# KiCad board polygonus-Shortage-Version.kicad_pcb (continued)
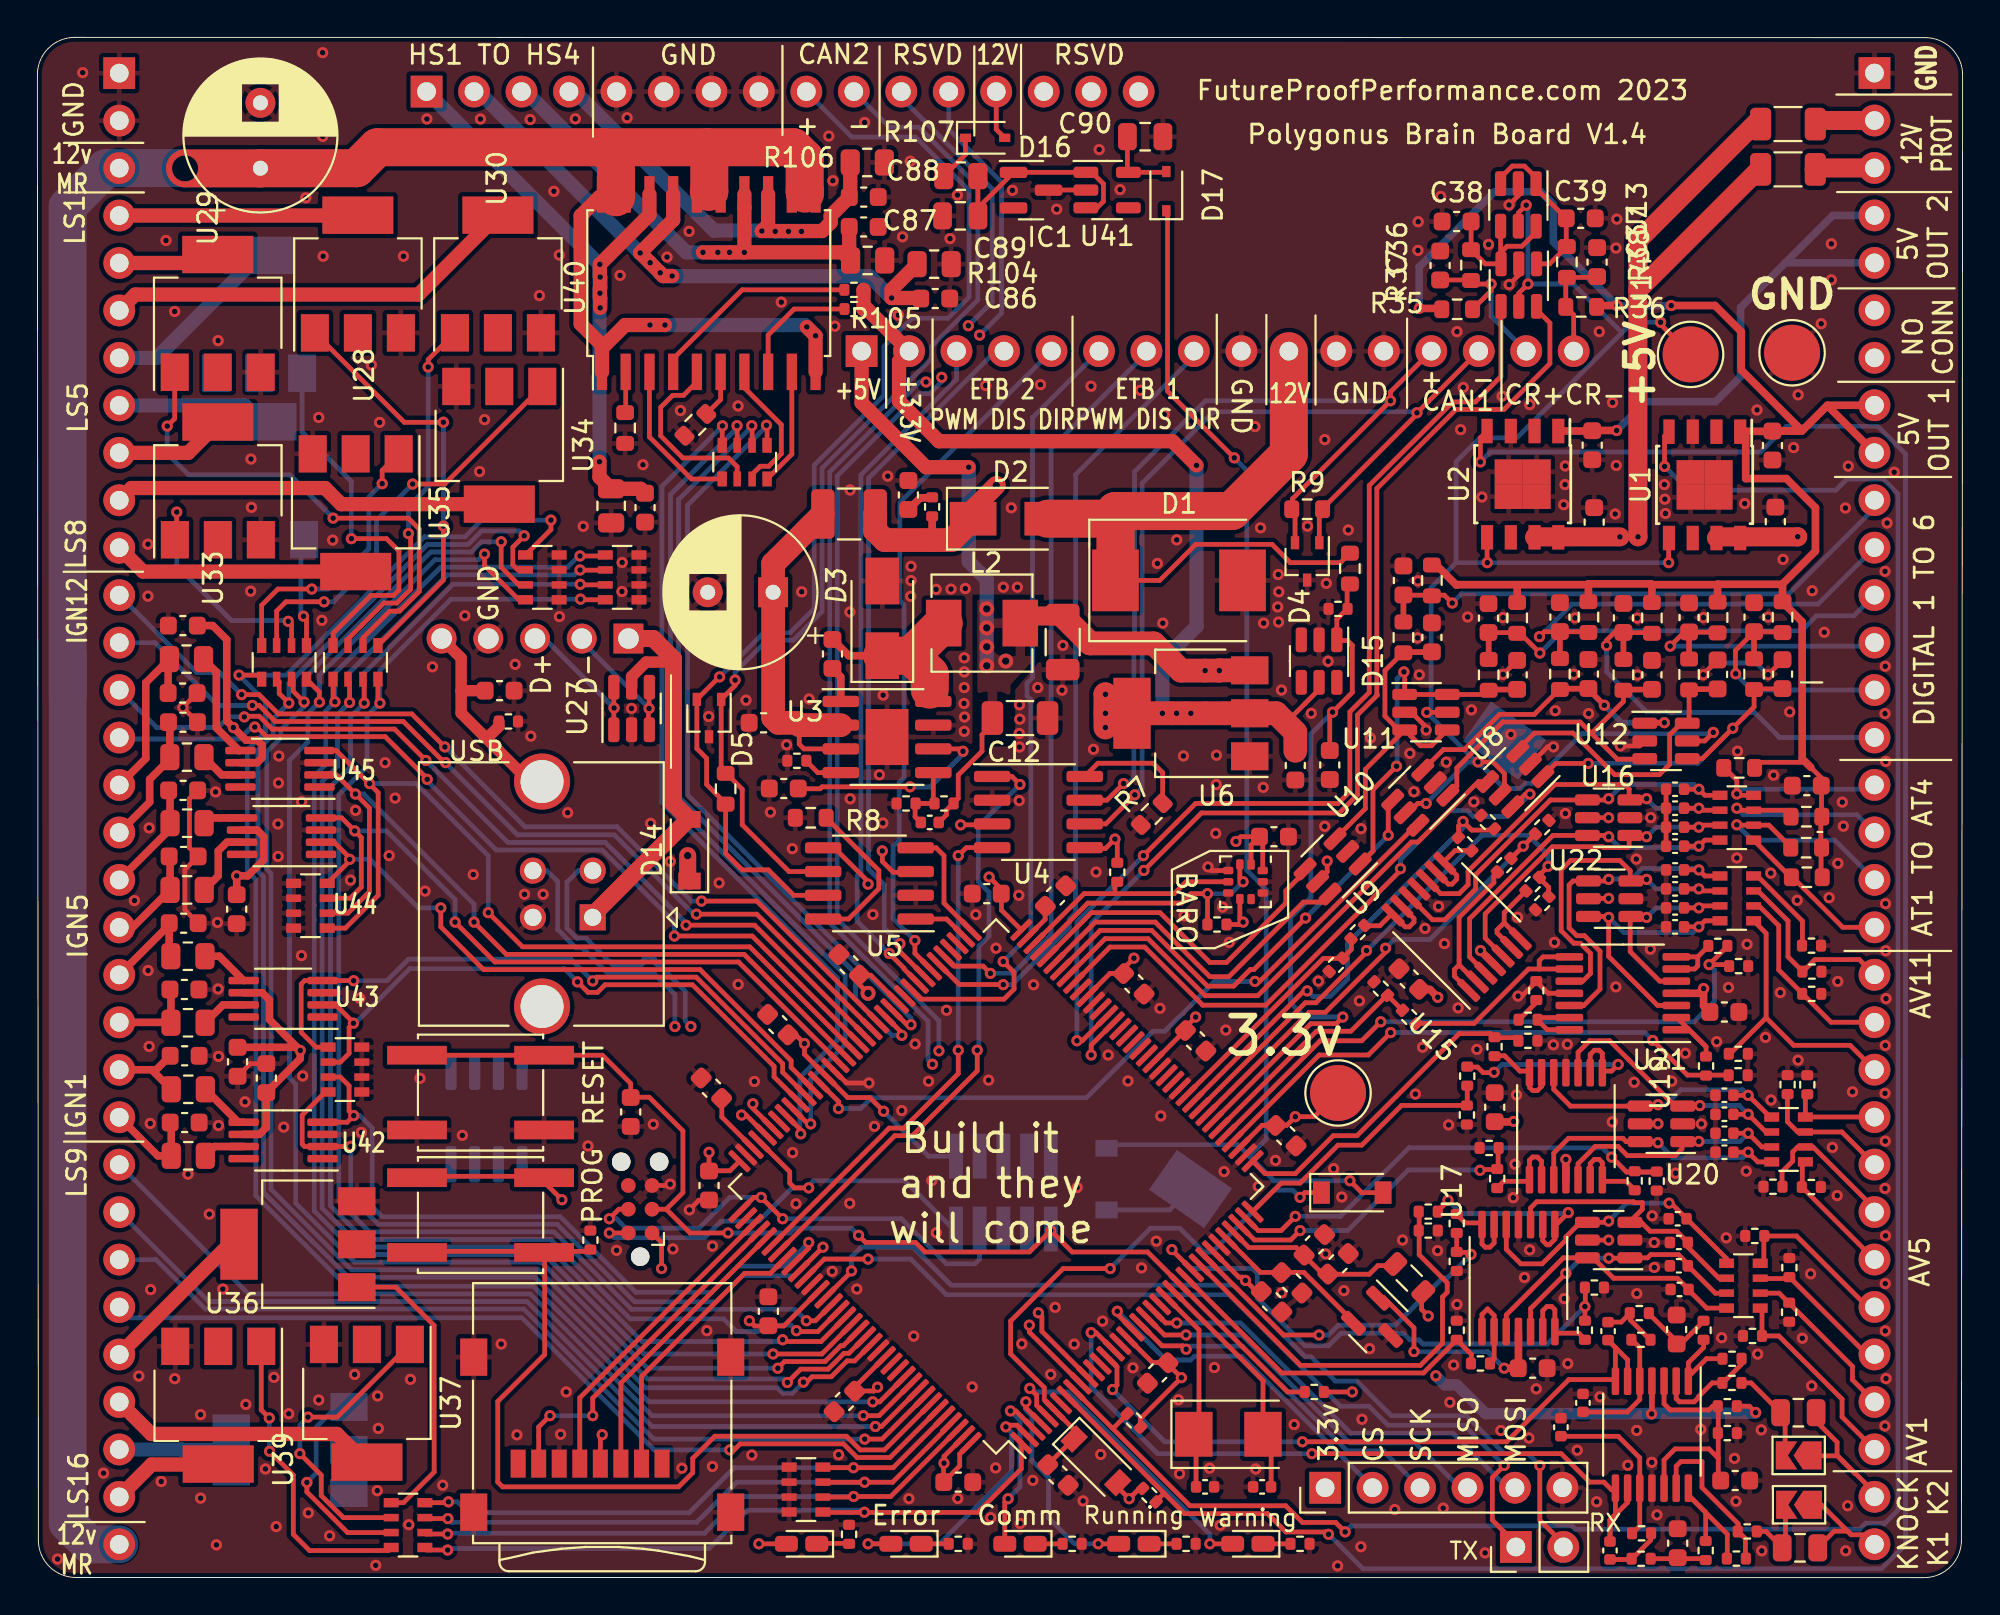
[diagram p0: board, top side]
## Library data of the parts
C1 C6 = -: LCSC: N/A; PN: EEH-AZF1H560B
C2 C3 C5 C7 C9 C84 = -: LCSC: C15849; LCSC_ext: 0
C4 C14 C82 = -: LCSC: C19666; LCSC_ext: 0
C8 C15 C85-C88 C93-C96 C99-C102 = -: LCSC: C57112; LCSC_ext: 0
C10 C40 C41 C46 C51 C56 C61-C64 C67-C71 C73 C79 C81 C83 C91 C92 C97 C98 = -: LCSC: C14663; LCSC_ext: 0
C11 C20 C21 = -: LCSC: C13533; LCSC_ext: 0
C12 C13 = -: LCSC: C13585; LCSC_ext: 0
C16 C17 = -: LCSC: C53175; LCSC_ext: 0
C18 C19 = -: LCSC: C1630; LCSC_ext: 0
C22 C23 = -: LCSC: C1567; LCSC_ext: 0
C24-C39 = -: LCSC: C1588; LCSC_ext: 0
C42-C45 C47-C50 C52-C55 C57-C60 = -: LCSC: C1525; LCSC_ext: 0
C65 C66 C72 C76 C80 = -: LCSC: C19666; LCSC_ext: 0; PN: CGA3E2X7R1H103M080AA
C74 C75 = -: LCSC: C1562; LCSC_ext: 0
C77 C78 = -: LCSC: C23630; LCSC_ext: 0
D1 = -: LCSC: C151281; LCSC_ext: 1; possible_not_ext: 1
D2 D3 = -: LCSC: C8678; LCSC_ext: 0
D4 D5 = -: LCSC: C152727; LCSC_ext: 1
D6-D8 D14 = -: LCSC: C8598; LCSC_ext: 0
D9 D12 = -: LCSC: C72043; LCSC_ext: 0
D10 = -: LCSC: C2286; LCSC_ext: 0
D11 = -: LCSC: C72041; LCSC_ext: 0
D13 = -: LCSC: C72038; LCSC_ext: 0
D15 U16 U18 U20 U22 = -: LCSC: C85364; LCSC_ext: 0
F1 F2 = -: LCSC: C207035; LCSC_ext: 1; PN: 1206L012WR
FB1 = -: LCSC: C1015; LCSC_ext: 0
IC1 = -: Description: ESD Suppressor TVS Bi-Dir 12V/7V 3-Pin SOT-23 T/R; Arrow Price/Stock: https://www.arrow.com/en/products/psm712-lf-t7/protek-devices?region=europe; Height: 1.21; Manufacturer_Name: ProTek Devices
J1-J3 J11 J12 JP1 JP2 = -: LCSC: N/A
J8 = -: LCSC: N/A; PN: FTSH-105-01-F-DV-007-K
J10 = -: LCSC: C164170; PN: 47219-2001
J13 = -: LCSC: N/A; PN: UB-20PMFP-LC7002
J14 = -: LCSC: N/A; PN: 5787834-1
L1 = -: LCSC: C36828; LCSC_ext: 1; PN: SRN3015TA-2R2M; possible_not_ext: 1
L2 = -: LCSC: C408412; LCSC_ext: 1; possible_not_ext: 1
R1 R3 R4 R47-R50 R59-R62 R71-R74 R83-R86 R89 R90 R97 R99 R100 = -: LCSC: C25744; LCSC_ext: 0
R2 = -: LCSC: C25086; LCSC_ext: 0
R5 = -: LCSC: C25752
R6 = -: LCSC: C36871
R7-R10 R101 R102 = -: LCSC: C22787; LCSC_ext: 0
R11 R12 R21 R22 = -: LCSC: C25779; LCSC_ext: 0
R13 R14 = -: LCSC: C25741
R15 R16 = -: LCSC: C25790
R17 R18 = -: LCSC: C25752; LCSC_ext: 0
R19 R20 R98 = -: LCSC: C25741; LCSC_ext: 0
R23-R42 = -: LCSC: C13167; LCSC_ext: 0
R43-R46 R55-R58 R67-R70 R79-R82 = -: LCSC: C25908; LCSC_ext: 0
R51-R54 R63-R66 R75-R78 = -: LCSC: C25790; LCSC_ext: 0
R87 R88 = -: LCSC: C11702; LCSC_ext: 0
R91-R95 = -: LCSC: C25104
R96 = -: LCSC: C23254; LCSC_ext: 0
R103-R106 = -: LCSC: C17673; LCSC_ext: 0
R108-R115 = -: LCSC: C17408; LCSC_ext: 0
RN1 = -: LCSC: C29718; LCSC_ext: 0; PN: CAT16-473J4LF
RN2-RN4 RN11 = -: LCSC: C29718; LCSC_ext: 0; PN: CAT16-1002F4LF
RN5-RN10 RN12 RN13 = -: LCSC: C20197; LCSC_ext: 0
SW1 SW2 = -: LCSC: C318887; LCSC_ext: 1
U1 U2 = -: LCSC: N/A; PN: TLS115D0E
U3 = -: LCSC: C187824; LCSC_ext: 1; possible_not_ext: 0
U6 = -: LCSC: C6186; LCSC_ext: 0
U7 U15 U17 U19 U21 = -: LCSC: C50282; LCSC_ext: 1; PN: MCP6004T-I/ST; possible_not_ext: 1
U8-U10 U14 = -: LCSC: C10429; LCSC_ext: 1; PN: 74HC2G17GW
U23 = -: LCSC: C130016; LCSC_ext: 1; PN: REF3033
U24 = -: LCSC: C94049; LCSC_ext: 1
U26 = -: LCSC: C117816; PN: STM32F767ZIT6
U27 = -: LCSC: C7519; LCSC_ext: 1; PN: USBLC6-2; possible_not_ext: 1
U42-U45 = -: LCSC: C20551; LCSC_ext: 1; PN: TC4427EOA; possible_not_ext: 1
Y1 = -: LCSC: C115962; LCSC_ext: 0

## Footprints (pads in the part's own frame, mm; a bottom-side part is the same pattern mirrored in y, then rotated)
BatteryHolder_Keystone_1060_1x2032
  rect 2.6x3.6 smd: 1(-14.65,0) 2(14.65,0)
C_0402_1005Metric
  rrect 0.56x0.62 smd: 1(-0.48,0) 2(0.48,0)
C_0603_1608Metric
  rrect 0.9x0.95 smd: 1(-0.775,0) 2(0.775,0)
C_0805_2012Metric
  rrect 1x1.45 smd: 1(-0.95,0) 2(0.95,0)
C_1206_3216Metric
  rrect 1.15x1.8 smd: 1(-1.475,0) 2(1.475,0)
conn_5_2.5mm
  rect 1.6x1.6 hole 1.1: 1(-5,0)
  round 1.6 hole 1.1: 2(-2.5,0) 3(0,0) 4(2.5,0) 5(5,0)
CP_Radial_D8.0mm_P3.50mm
  rect 1.6x1.6 hole 0.8: 1(0,0)
  round 1.6 hole 0.8: 2(3.5,0)
Crystal_SMD_5032-2Pin_5.0x3.2mm
  rect 2x2.4 smd: 1(-1.85,0) 2(1.85,0)
D_SMA
  rect 2.5x1.8 smd: 1(-2,0) 2(2,0)
D_SMC
  rect 2.5x3.3 smd: 1(-3.4,0) 2(3.4,0)
D_SOD-123
  rect 0.9x1.2 smd: 1(-1.65,0) 2(1.65,0)
D_SOD-323
  rect 0.6x0.45 smd: 1(-1.05,0) 2(1.05,0)
Infineon_PG-DSO-8-43
  rect 1.31x0.65 smd: 1(-2.845,1.905) 2(-2.845,0.635) 3(-2.845,-0.635) 5(2.845,-1.905) 6(2.845,-0.635) 7(2.845,0.635) 8(2.845,1.905)
  rect 1.31x0.6 smd: 4(-2.845,-1.905)
  rect 1.325x1.5 smd: 9(-0.662,0.75) 9(-0.662,-0.75) 9(0.662,0.75) 9(0.662,-0.75)
Infineon_PG-DSO-20-32
  rect 1.95x0.55 smd: 1(-4.75,5.715) 2(-4.75,4.445) 3(-4.75,3.175) 4(-4.75,1.905) 5(-4.75,0.635) 6(-4.75,-0.635) 7(-4.75,-1.905) 8(-4.75,-3.175) 9(-4.75,-4.445) 10(-4.75,-5.715) 11(4.75,-5.715) 12(4.75,-4.445) 13(4.75,-3.175) 14(4.75,-1.905) 15(4.75,-0.635) 16(4.75,0.635) 17(4.75,1.905) 18(4.75,3.175) 19(4.75,4.445) 20(4.75,5.715)
L_0805_2012Metric
  rrect 0.875x1.2 smd: 1(-1.062,0) 2(1.062,0)
L_1210_3225Metric
  rrect 1.25x2.65 smd: 1(-1.4,0) 2(1.4,0)
LED_0603_1608Metric_Castellated
  rrect 1.225x0.85 smd: 1(-0.812,0) 2(0.812,0)
LQFP-144_20x20mm_P0.5mm
  rrect 1.475x0.3 smd: 1(-10.662,8.75) 2(-10.662,8.25) 3(-10.663,7.75) 4(-10.662,7.25) 5(-10.662,6.75) 6(-10.662,6.25) 7(-10.662,5.75) 8(-10.662,5.25) 9(-10.662,4.75) 10(-10.662,4.25) 11(-10.662,3.75) 12(-10.662,3.25) 13(-10.662,2.75) 14(-10.662,2.25) 15(-10.662,1.75) 16(-10.663,1.25) 17(-10.662,0.75) 18(-10.662,0.25) 19(-10.662,-0.25) 20(-10.662,-0.75) 21(-10.663,-1.25) 22(-10.662,-1.75) 23(-10.662,-2.25) 24(-10.662,-2.75) 25(-10.662,-3.25) 26(-10.662,-3.75) 27(-10.662,-4.25) 28(-10.662,-4.75) 29(-10.662,-5.25) 30(-10.662,-5.75) 31(-10.662,-6.25) 32(-10.662,-6.75) 33(-10.662,-7.25) 34(-10.663,-7.75) 35(-10.662,-8.25) 36(-10.662,-8.75) 73(10.662,-8.75) 74(10.662,-8.25) 75(10.663,-7.75) 76(10.662,-7.25) 77(10.662,-6.75) 78(10.662,-6.25) 79(10.662,-5.75) 80(10.662,-5.25) 81(10.662,-4.75) 82(10.662,-4.25) 83(10.662,-3.75) 84(10.662,-3.25) 85(10.662,-2.75) 86(10.662,-2.25) 87(10.662,-1.75) 88(10.663,-1.25) 89(10.662,-0.75) 90(10.662,-0.25) 91(10.662,0.25) 92(10.662,0.75) 93(10.663,1.25) 94(10.662,1.75) 95(10.662,2.25) 96(10.662,2.75) 97(10.662,3.25) 98(10.662,3.75) 99(10.662,4.25) 100(10.662,4.75) 101(10.662,5.25) 102(10.662,5.75) 103(10.662,6.25) 104(10.662,6.75) 105(10.662,7.25) 106(10.663,7.75) 107(10.662,8.25) 108(10.662,8.75)
  rrect 0.3x1.475 smd: 37(-8.75,-10.662) 38(-8.25,-10.662) 39(-7.75,-10.663) 40(-7.25,-10.662) 41(-6.75,-10.662) 42(-6.25,-10.662) 43(-5.75,-10.662) 44(-5.25,-10.662) 45(-4.75,-10.662) 46(-4.25,-10.662) 47(-3.75,-10.662) 48(-3.25,-10.662) 49(-2.75,-10.662) 50(-2.25,-10.662) 51(-1.75,-10.662) 52(-1.25,-10.663) 53(-0.75,-10.662) 54(-0.25,-10.662) 55(0.25,-10.662) 56(0.75,-10.662) 57(1.25,-10.663) 58(1.75,-10.662) 59(2.25,-10.662) 60(2.75,-10.662) 61(3.25,-10.662) 62(3.75,-10.662) 63(4.25,-10.662) 64(4.75,-10.662) 65(5.25,-10.662) 66(5.75,-10.662) 67(6.25,-10.662) 68(6.75,-10.662) 69(7.25,-10.662) 70(7.75,-10.663) 71(8.25,-10.662) 72(8.75,-10.662) 109(8.75,10.662) 110(8.25,10.662) 111(7.75,10.663) 112(7.25,10.662) 113(6.75,10.662) 114(6.25,10.662) 115(5.75,10.662) 116(5.25,10.662) 117(4.75,10.662) 118(4.25,10.662) 119(3.75,10.662) 120(3.25,10.662) 121(2.75,10.662) 122(2.25,10.662) 123(1.75,10.662) 124(1.25,10.663) 125(0.75,10.662) 126(0.25,10.662) 127(-0.25,10.662) 128(-0.75,10.662) 129(-1.25,10.663) 130(-1.75,10.662) 131(-2.25,10.662) 132(-2.75,10.662) 133(-3.25,10.662) 134(-3.75,10.662) 135(-4.25,10.662) 136(-4.75,10.662) 137(-5.25,10.662) 138(-5.75,10.662) 139(-6.25,10.662) 140(-6.75,10.662) 141(-7.25,10.662) 142(-7.75,10.663) 143(-8.25,10.662) 144(-8.75,10.662)
microSD_HC_Wuerth_693072010801
  rect 0.8x1.5 smd: 1(-3.2,1.55) 2(-2.1,1.55) 3(-1,1.55) 4(0.1,1.55) 5(1.2,1.55) 6(2.3,1.55) 7(3.4,1.55) 8(4.5,1.55)
  rect 1.45x2 smd: 9(-6.875,4.15) 9(-6.875,-4.15) 9(6.875,4.15) 9(6.875,-4.15)
MSOP-8_3x3mm_P0.65mm
  rrect 1.625x0.4 smd: 1(-2.112,0.975) 2(-2.112,0.325) 3(-2.112,-0.325) 4(-2.112,-0.975) 5(2.112,-0.975) 6(2.112,-0.325) 7(2.112,0.325) 8(2.112,0.975)
MWSA0503
  rect 1.9x2.5 smd: 1(2.05,0) 2(-2.05,0)
PinHeader_1x02_P2.54mm_Vertical
  rect 1.7x1.7 hole 1: 1(0,0)
  oval 1.7x1.7 hole 1: 2(0,-2.54)
PinHeader_1x06_P2.54mm_Vertical
  rect 1.7x1.7 hole 1: 1(0,0)
  oval 1.7x1.7 hole 1: 2(0,-2.54) 3(0,-5.08) 4(0,-7.62) 5(0,-10.16) 6(0,-12.7)
PinHeader_1x16_P2.54mm_Vertical
  rect 1.7x1.7 hole 1: 1(0,0)
  oval 1.7x1.7 hole 1: 2(0,-2.54) 3(0,-5.08) 4(0,-7.62) 5(0,-10.16) 6(0,-12.7) 7(0,-15.24) 8(0,-17.78) 9(0,-20.32) 10(0,-22.86) 11(0,-25.4) 12(0,-27.94) 13(0,-30.48) 14(0,-33.02) 15(0,-35.56) 16(0,-38.1)
PinHeader_1x32_P2.54mm_Vertical
  rect 1.7x1.7 hole 1: 1(0,0)
  oval 1.7x1.7 hole 1: 2(0,-2.54) 3(0,-5.08) 4(0,-7.62) 5(0,-10.16) 6(0,-12.7) 7(0,-15.24) 8(0,-17.78) 9(0,-20.32) 10(0,-22.86) 11(0,-25.4) 12(0,-27.94) 13(0,-30.48) 14(0,-33.02) 15(0,-35.56) 16(0,-38.1) 17(0,-40.64) 18(0,-43.18) 19(0,-45.72) 20(0,-48.26) 21(0,-50.8) 22(0,-53.34) 23(0,-55.88) 24(0,-58.42) 25(0,-60.96) 26(0,-63.5) 27(0,-66.04) 28(0,-68.58) 29(0,-71.12) 30(0,-73.66) 31(0,-76.2) 32(0,-78.74)
PinHeader_2x05_P1.27mm_Vertical_SMD
  rect 2.4x0.74 smd: 1(-1.95,2.54) 2(1.95,2.54) 3(-1.95,1.27) 4(1.95,1.27) 5(-1.95,0) 6(1.95,0) 7(-1.95,-1.27) 8(1.95,-1.27) 9(-1.95,-2.54) 10(1.95,-2.54)
R_0402_1005Metric
  rrect 0.54x0.64 smd: 1(-0.51,0) 2(0.51,0)
R_0603_1608Metric
  rrect 0.8x0.95 smd: 1(-0.825,0) 2(0.825,0)
R_0805_2012Metric
  rrect 1.025x1.4 smd: 1(-0.912,0) 2(0.912,0)
R_1206_3216Metric
  rrect 1.125x1.75 smd: 1(-1.462,0) 2(1.462,0)
R_Array_Convex_4x0603
  rect 0.8x0.5 smd: 1(-0.9,1.2) 4(-0.9,-1.2) 5(0.9,-1.2) 8(0.9,1.2)
  rect 0.8x0.4 smd: 2(-0.9,0.4) 3(-0.9,-0.4) 6(0.9,-0.4) 7(0.9,0.4)
SOIC-8-1EP_3.9x4.9mm_P1.27mm_EP2.29x3mm
  rrect 0.92x1.21 smd: (-0.57,0.75) (-0.57,-0.75) (0.57,0.75) (0.57,-0.75)
  rrect 1.95x0.6 smd: 1(-2.475,1.905) 2(-2.475,0.635) 3(-2.475,-0.635) 4(-2.475,-1.905) 5(2.475,-1.905) 6(2.475,-0.635) 7(2.475,0.635) 8(2.475,1.905)
  rect 2.29x3 smd: 9(0,0)
SOIC-8_3.9x4.9mm_P1.27mm
  rrect 1.95x0.6 smd: 1(-2.475,1.905) 2(-2.475,0.635) 3(-2.475,-0.635) 4(-2.475,-1.905) 5(2.475,-1.905) 6(2.475,-0.635) 7(2.475,0.635) 8(2.475,1.905)
SolderJumper-2_P1.3mm_Open_TrianglePad1.0x1.5mm
  custom 1.5x1.5 smd: 1(-0.725,0)
  custom 1.15x1.5 smd: 2(0.725,0)
SOT-23
  rrect 1.475x0.6 smd: 1(-0.938,0.95) 2(-0.938,-0.95) 3(0.938,0)
SOT-23-5
  rrect 1.325x0.6 smd: 1(-1.137,0.95) 2(-1.137,0) 3(-1.137,-0.95) 4(1.137,-0.95) 5(1.137,0.95)
SOT-23-6
  rrect 1.325x0.6 smd: 1(-1.137,0.95) 2(-1.137,0) 3(-1.137,-0.95) 4(1.137,-0.95) 5(1.137,0) 6(1.137,0.95)
SOT-223
  rect 2x1.5 smd: 1(-3.15,2.3) 2(-3.15,0) 3(-3.15,-2.3)
  rect 2x3.8 smd: 4(3.15,0)
SOT-223-3_TabPin2
  rect 2x1.5 smd: 1(-3.15,2.3) 2(-3.15,0) 3(-3.15,-2.3)
  rect 2x3.8 smd: 2(3.15,0)
SOT-323_SC-70
  rect 0.7x0.45 smd: 1(-1,0.65) 2(-1,-0.65) 3(1,0)
ST_HLGA-10_2.5x2.5mm_P0.6mm_LayoutBorder3x2y
  rrect 0.55x0.4 smd: 1(-0.925,0.3) 2(-0.925,-0.3) 6(0.925,-0.3) 7(0.925,0.3)
  rrect 0.4x0.55 smd: 3(-0.6,-0.925) 4(0,-0.925) 5(0.6,-0.925) 8(0.6,0.925) 9(0,0.925) 10(-0.6,0.925)
SW_SPST_EVQQ2
  rect 3.2x1 smd: 1(-3.4,2) 1(3.4,2) 2(-3.4,-2) 2(3.4,-2)
Tag-Connect_TC2030-IDC-NL_2x03_P1.27mm_Vertical
  round 0.991 hole 0.991 unplated: (-2.54,0) (2.54,1.016) (2.54,-1.016)
  round 0.787 smd: 1(-1.27,-0.635) 2(-1.27,0.635) 3(0,-0.635) 4(0,0.635) 5(1.27,-0.635) 6(1.27,0.635)
TestPoint_Pad_D3.0mm
  round 3 smd: 1(0,0)
TSSOP-14_4.4x5mm_P0.65mm
  rrect 1.475x0.4 smd: 1(-2.862,1.95) 2(-2.862,1.3) 3(-2.862,0.65) 4(-2.862,0) 5(-2.862,-0.65) 6(-2.862,-1.3) 7(-2.862,-1.95) 8(2.862,-1.95) 9(2.862,-1.3) 10(2.862,-0.65) 11(2.862,0) 12(2.862,0.65) 13(2.862,1.3) 14(2.862,1.95)
USB_B_TE_5787834_Vertical
  rect 1.4x1.4 hole 0.92: 1(0,0)
  round 1.4 hole 0.92: 2(-2.5,0) 3(-2.5,-3.2) 4(0,-3.2)
  round 3 hole 2.3: 5(-7.27,-2.71) 5(4.77,-2.71)

## Nets
+3V3: C14.1 C61.2 C62.2 C63.1 C64.2 C65.2 C66.2 C67.2 C68.2 C69.2 C71.2 C72.2 C73.2 C76.2 D8.2 D9.2 D15.5 FB1.1 J3.1 J6.2 J8.1 J9.1 J10.4 J11.1 R1.2 R4.2 R11.2 R87.1 R88.1 R89.2 R99.2 R100.2 SW2.2 U4.5 U5.5 U6.2 U7.4 U24.1 U24.6 U24.10 U26.17 U26.30 U26.39 U26.52 U26.62 U26.72 U26.84 U26.95 U26.108 U26.121 U26.131 U26.143 U26.144
+5V: C11.1 C12.1 C13.1 C40.1 C46.1 C51.1 C56.1 C91.2 C92.2 C97.2 C98.2 D14.1 J2.1 J6.1 L2.2 R6.2 U1.5 U2.5 U4.3 U5.3 U6.3 U8.5 U9.5 U10.5 U11.5 U12.5 U13.5 U14.5 U15.4 U16.5 U17.4 U18.5 U19.4 U20.5 U21.4 U22.5 U23.1 U42.6 U43.6 U44.6 U45.6
/5V_SENSOR_1: C3.1 C41.2 J5.8 J5.9 R23.1 R24.1 R25.1 R26.1 R27.1 R28.1 R35.1 R36.1 R39.1 R40.1 R41.1 R42.1 U1.1
/5V_SENSOR_2: C9.1 J5.4 J5.5 U2.1
/12V_MR: C1.1 J4.3 J4.32 U40.1 U40.10 U40.11 U40.12 U40.15 U40.16 U40.19 U40.20
/12V_PROT: C2.1 C5.1 D2.1 F1.1 F2.2 L1.1 R2.1 U1.7 U1.8 U2.7 U2.8
/12V_RAW: D1.1 D2.2 J6.10 R96.1
/AV1: J5.30 R51.1 RN2.1
/AV2: J5.29 R52.1 RN2.2
/AV3: J5.28 R53.1 RN2.3
/AV4: J5.27 R54.1 RN2.4
/AV5: J5.26 R63.1 RN3.1
/AV6: J5.25 R64.1 RN3.2
/AV7: J5.24 R65.1 RN3.3
/AV8: J5.23 R66.1 RN3.4
/AV9: J5.22 R75.1 RN4.1
/AV10: J5.21 R76.1 RN4.2
/AV11: J5.20 R77.1 RN4.3
/mcu/5V_SENSOR_1_PG: R1.1 U1.4 U26.9
/mcu/5V_SENSOR_2_PG: R4.1 U2.4 U26.8
/mcu/12V_DIVIDED: C84.1 D15.1 R96.2 R97.1 U26.43
/mcu/AV1: R55.1 R59.2 U26.26
/mcu/AV2: R56.1 R60.2 U26.27
/mcu/AV3: R57.1 R61.2 U26.28
/mcu/AV4: R58.1 R62.2 U26.29
/mcu/AV5: R67.1 R71.2 U26.34
/mcu/AV6: R68.1 R72.2 U26.35
/mcu/AV7: R69.1 R73.2 U26.36
/mcu/AV8: R70.1 R74.2 U26.37
/mcu/AV9: R79.1 R83.2 U26.40
/mcu/AV10: R80.1 R84.2 U26.41
/mcu/AV11: R81.1 R85.2 U26.42
/mcu/VDDA: C81.1 C82.1 FB1.2 U26.33
GND: BT1.2 C1.2 C2.2 C3.2 C4.2 C5.2 C6.2 C7.2 C8.2 C9.2 C12.2 C13.2 C14.2 C15.1 C18.1 C19.1 C22.1 C23.1 C24.2 C25.2 C26.2 C27.2 C28.2 C29.2 C30.2 C31.2 C32.2 C33.2 C34.2 C35.2 C36.2 C37.2 C38.2 C39.2 C40.2 C41.1 C42.2 C43.2 C44.2 C45.2 C46.2 C47.2 C48.2 C49.2 C50.2 C51.2 C52.2 C53.2 C54.2 C55.2 C56.2 C57.2 C58.2 C59.2 C60.2 C61.1 C62.1 C63.2 C64.1 C65.1 C66.1 C67.1 C68.1 C69.1 C70.2 C71.1 C72.1 C73.1 C74.2 C75.2 C76.1 C77.2 C78.2 C79.1 C80.2 C81.2 C82.2 C83.2 C84.2 C85.2 C86.2 C87.2 C88.2 C89.2 C90.1 C91.1 C92.1 C93.2 C94.2 C95.2 C96.2 C97.1 C98.1 C99.2 C100.2 C101.2 C102.2 D1.2 D3.2 D4.3 D5.3 D15.2 IC1.3 J1.1 J4.1 J4.2 J5.1 J6.9 J6.11 J6.12 J7.5 J7.6 J7.7 J7.8 J8.3 J8.5 J8.9 J9.5 J10.6 J10.9 J11.6 J13.4 J14.4 R3.2 R5.2 R7.1 R8.1 R12.2 R47.1 R48.1 R49.1 R50.1 R51.2 R52.2 R53.2 R54.2 R59.1 R60.1 R61.1 R62.1 R63.2 R64.2 R65.2 R66.2 R71.1 R72.1 R73.1 R74.1 R75.2 R76.2 R77.2 R78.2 R83.1 R84.1 R85.1 R86.1 R90.2 R91.1 R92.1 R93.1 R94.1 R95.1 R97.2 R98.2 R101.2 R102.2 R103.2 R104.2 R105.2 R106.2 RN5.1 RN5.2 RN5.3 RN5.4 RN7.1 RN7.2 RN7.3 RN7.4 RN9.1 RN9.2 RN9.3 RN9.4 RN12.1 RN12.2 RN12.3 RN12.4 RN13.1 RN13.2 RN13.3 RN13.4 SW1.2 U1.3 U1.9 U2.3 U2.9 U3.7 U3.9 U4.2 U5.2 U6.1 U7.11 U8.2 U9.2 U10.2 U11.2 U12.2 U13.2 U14.2 U15.11 U16.2 U17.11 U18.2 U19.11 U20.2 U21.11 U22.2 U23.3 U24.3 U24.5 U24.8 U24.9 U26.16 U26.31 U26.38 U26.48 U26.51 U26.61 U26.83 U26.94 U26.107 U26.120 U26.130 U27.2 U28.3 U29.3 U30.3 U31.3 U32.3 U33.3 U34.3 U35.3 U36.3 U37.3 U38.3 U39.3 U41.2 U42.3 U43.3 U44.3 U45.3
/AT1: J5.19 R39.2 RN1.1
/AT2: J5.18 R40.2 RN1.2
/AT3: J5.17 R41.2 RN1.3
/AT4: J5.16 R42.2 RN1.4
/CAN2+: D5.2 J7.9 R10.1 U5.7
/CAN2-: D5.1 J7.10 R10.2 U5.6
/CAN+: D4.2 J6.13 R9.1 U4.7
/CAN-: D4.1 J6.14 R9.2 U4.6
/DIGITAL_1: C24.1 J5.15 R23.2 R29.2
/DIGITAL_2: C25.1 J5.14 R24.2 R30.2
/DIGITAL_3: C26.1 J5.13 R25.2 R31.2
/DIGITAL_4: C27.1 J5.12 R26.2 R32.2
/DIGITAL_5: C28.1 J5.11 R27.2 R33.2
/DIGITAL_6: C29.1 J5.10 R28.2 R34.2
/ETB1_DIR: J6.5 U26.79
/ETB1_DIS: J6.4 U26.80
/ETB1_PWM: J6.3 U26.81
/ETB2_DIR: J6.8 U26.78
/ETB2_DIS: J6.7 U26.77
/ETB2_PWM: J6.6 U26.82
/highside_quad/IN1: RN11.4 U26.101
/highside_quad/IN2: RN11.3 U26.100
/highside_quad/IN3: RN11.2 U26.86
/highside_quad/IN4: RN11.1 U26.85
/HS1: C85.1 J7.1 R103.1 U40.18
/HS2: C86.1 J7.2 R104.1 U40.17
/HS3: C87.1 J7.3 R105.1 U40.14
/HS4: C88.1 J7.4 R106.1 U40.13
/IGN1: C93.1 J4.23 R108.1
/ign1/IN1: RN12.8 U26.118 U42.2
/ign1/IN2: RN12.7 U26.117 U42.4
/ign1/IN3: RN12.6 U26.99 U43.2
/ign1/IN4: RN12.5 U26.98 U43.4
/IGN2: C94.1 J4.22 R109.1
/ign2/IN1: RN13.8 U26.97 U44.2
/ign2/IN2: RN13.7 U26.93 U44.4
/ign2/IN3: RN13.6 U26.92 U45.2
/ign2/IN4: RN13.5 U26.91 U45.4
/IGN3: C95.1 J4.21 R110.1
/IGN4: C96.1 J4.20 R111.1
/IGN5: C99.1 J4.19 R112.1
/IGN6: C100.1 J4.18 R113.1
/IGN7: C101.1 J4.17 R114.1
/IGN8: C102.1 J4.16 R115.1
/IGN9: J4.15 U26.90
/IGN10: J4.14 U26.89
/IGN11: J4.13 U26.88
/IGN12: J4.12 U26.87
/Keep_Alive/Keep_Alive: D6.1 D7.2 D17.1
/knock/FILTERED_1: C20.2 U7.6 U7.7 U26.14
/knock/FILTERED_2: C21.2 U7.8 U7.9 U26.15
/knock/V_mid: C15.2 R11.1 R12.1 U7.3 U7.12
/KNOCK_1: C16.2 J5.31 JP1.1
/KNOCK_2: C17.2 J5.32 JP2.1
/lowside_quad1/IN1: RN5.8 RN6.4 U26.123
/lowside_quad1/IN2: RN5.7 RN6.3 U26.124
/lowside_quad1/IN3: RN5.6 RN6.2 U26.125
/lowside_quad1/IN4: RN5.5 RN6.1 U26.126
/lowside_quad2/IN1: RN7.8 RN8.4 U26.127
/lowside_quad2/IN2: RN7.7 RN8.3 U26.128
/lowside_quad2/IN3: RN7.6 RN8.2 U26.129
/lowside_quad2/IN4: RN7.5 RN8.1 U26.134
/lowside_quad4/IN1: RN9.8 RN10.4 U26.140
/lowside_quad4/IN2: RN9.7 RN10.3 U26.141
/lowside_quad4/IN3: RN9.6 RN10.2 U26.142
/lowside_quad4/IN4: RN9.5 RN10.1 U26.1
/LS1: J4.4 U28.2 U28.4
/LS2: J4.5 U29.2 U29.4
/LS3: J4.6 U30.2 U30.4
/LS4: J4.7 U31.2 U31.4
/LS5: J4.8 U32.2 U32.4
/LS6: J4.9 U33.2 U33.4
/LS7: J4.10 U34.2 U34.4
/LS8: J4.11 U35.2 U35.4
/LS9: J4.24 U26.135
/LS10: J4.25 U26.136
/LS11: J4.26 U26.137
/LS12: J4.27 U26.139
/LS13: J4.28 U36.2 U36.4
/LS14: J4.29 U37.2 U37.4
/LS15: J4.30 U38.2 U38.4
/LS16: J4.31 U39.2 U39.4
/mcu/AT1: R43.1 R47.2 U26.44
/mcu/AT2: R44.1 R48.2 U26.45
/mcu/AT3: R45.1 R49.2 U26.46
/mcu/AT4: R46.1 R50.2 U26.47
/mcu/AUX_SPI_CS: J11.2 U26.18
/mcu/AUX_SPI_MISO: J11.4 U26.20
/mcu/AUX_SPI_MOSI: J11.5 U26.21
/mcu/AUX_SPI_SCK: J11.3 U26.19
/mcu/BARO_SCL: R88.2 U24.2 U26.69
/mcu/BARO_SDA: R87.2 U24.4 U26.70
/mcu/BOOT0: R90.1 SW2.1 U26.138
/mcu/CAN2_RX: U5.4 U26.73
/mcu/CAN2_TX: U5.1 U26.74
/mcu/CAN_RX: U4.4 U26.114
/mcu/CAN_TX: U4.1 U26.115
/mcu/DIGITAL1: U10.6 U26.96
/mcu/DIGITAL2: U8.6 U26.64
/mcu/DIGITAL3: U8.4 U26.65
/mcu/DIGITAL4: U9.6 U26.67
/mcu/DIGITAL5: U10.4 U26.66
/mcu/DIGITAL6: U9.4 U26.68
/mcu/LED1: D10.2 U26.2
/mcu/LED2: D11.2 U26.3
/mcu/LED3: D12.2 U26.4
/mcu/LED4: D13.2 U26.5
/mcu/nRESET: C79.2 J8.10 J9.3 R89.1 SW1.1 U26.25
/mcu/SD_CS: J10.2 U26.116
/mcu/SD_MISO: J10.7 U26.112
/mcu/SD_MOSI: J10.3 U26.113
/mcu/SD_SCK: J10.5 U26.111
/mcu/SWCLK: J8.4 J9.4 U26.109
/mcu/SWDIO: J8.2 J9.2 U26.105
/mcu/UART_RX: J12.2 U26.122
/mcu/UART_TX: J12.1 U26.119
/mcu/VR_1: U14.6 U26.58
/mcu/VR_2: U14.4 U26.59
/Perm_Live: D16.2 J7.13
/quad_analog3/IN4: R78.1 RN4.4
/quad_analog3/OUT4: R82.1 R86.2
/RC1: J7.11 U26.10
/RC2: J7.12 U26.11
/RSVD: J7.14 J7.15 J7.16
/USB_D+: J13.3 J14.3 U26.104 U27.1 U27.6
/USB_D-: J13.2 J14.2 U26.103 U27.3 U27.4
/USB_SHIELD: C83.1 J13.5 J14.5 R98.1
/VR1+: C37.1 J6.16 R36.2 R38.2
/VR2+: C36.1 J6.15 R35.2 R37.2
Net-(BT1-Pad1): BT1.1 D6.2
Net-(C4-Pad1): C4.1 R2.2
Net-(C6-Pad1): C6.1 C7.1 L1.2 U3.2 U3.3
Net-(C8-Pad1): C8.1 U3.6
Net-(C10-Pad1): C10.1 U3.1
Net-(C10-Pad2): C10.2 D3.1 L2.1 U3.8
Net-(C11-Pad2): C11.2 R5.1 R6.1 U3.5
Net-(C16-Pad1): C16.1 JP1.2 R13.2
Net-(C17-Pad1): C17.1 JP2.2 R14.2
Net-(C18-Pad2): C18.2 R17.1 R19.2
Net-(C19-Pad2): C19.2 R18.1 R20.2
Net-(C20-Pad1): C20.1 R19.1 R21.2
Net-(C21-Pad1): C21.1 R20.1 R22.2
Net-(C22-Pad2): C22.2 R21.1 U7.5
Net-(C23-Pad2): C23.2 R22.1 U7.10
Net-(C30-Pad1): C30.1 R29.1 U10.1 U12.3
Net-(C31-Pad1): C31.1 R30.1 U8.1 U12.4
Net-(C32-Pad1): C32.1 R31.1 U8.3 U12.6
Net-(C33-Pad1): C33.1 R32.1 U9.1 U11.1 U11.6
Net-(C34-Pad1): C34.1 R33.1 U10.3 U12.1
Net-(C35-Pad1): C35.1 R34.1 U9.3 U11.3 U11.4
Net-(C38-Pad1): C38.1 R37.1 U13.4 U13.6 U14.3
Net-(C39-Pad1): C39.1 R38.1 U13.1 U13.3 U14.1
Net-(C42-Pad1): C42.1 RN1.8 U15.3 U16.6
Net-(C43-Pad1): C43.1 RN1.7 U15.5 U16.1
Net-(C44-Pad1): C44.1 RN1.6 U15.10 U16.3
Net-(C45-Pad1): C45.1 RN1.5 U15.12 U16.4
Net-(C47-Pad1): C47.1 RN2.8 U17.3 U18.6
Net-(C48-Pad1): C48.1 RN2.7 U17.5 U18.1
Net-(C49-Pad1): C49.1 RN2.6 U17.10 U18.3
Net-(C50-Pad1): C50.1 RN2.5 U17.12 U18.4
Net-(C52-Pad1): C52.1 RN3.8 U19.3 U20.6
Net-(C53-Pad1): C53.1 RN3.7 U19.5 U20.1
Net-(C54-Pad1): C54.1 RN3.6 U19.10 U20.3
Net-(C55-Pad1): C55.1 RN3.5 U19.12 U20.4
Net-(C57-Pad1): C57.1 RN4.8 U21.3 U22.6
Net-(C58-Pad1): C58.1 RN4.7 U21.5 U22.1
Net-(C59-Pad1): C59.1 RN4.6 U21.10 U22.3
Net-(C60-Pad1): C60.1 RN4.5 U21.12 U22.4
Net-(C70-Pad1): C70.1 U23.2 U26.32
Net-(C74-Pad1): C74.1 U26.23 Y1.1
Net-(C75-Pad1): C75.1 U26.24 Y1.2
Net-(C77-Pad1): C77.1 U26.71
Net-(C78-Pad1): C78.1 U26.106
Net-(C80-Pad1): C80.1 D7.1 D8.1 U26.6
Net-(C89-Pad1): C89.1 IC1.1 R107.2 U41.1 U41.3
Net-(C90-Pad2): C90.2 D17.2 U41.5
Net-(D9-Pad1): D9.1 R91.2
Net-(D10-Pad1): D10.1 R92.2
Net-(D11-Pad1): D11.1 R93.2
Net-(D12-Pad1): D12.1 R94.2
Net-(D13-Pad1): D13.1 R95.2
Net-(D14-Pad2): D14.2 J13.1 J14.1 U27.5
Net-(D16-Pad1): D16.1 R107.1
Net-(F1-Pad2): F1.2 J5.3
Net-(F2-Pad1): F2.1 J5.2
Net-(R3-Pad1): R3.1 U3.4
Net-(R7-Pad2): R7.2 U4.8
Net-(R8-Pad2): R8.2 U5.8
Net-(R13-Pad1): R13.1 R15.2 U7.2
Net-(R14-Pad1): R14.1 R16.2 U7.13
Net-(R15-Pad1): R15.1 R17.2 U7.1
Net-(R16-Pad1): R16.1 R18.2 U7.14
Net-(R43-Pad2): R43.2 U15.1 U15.2
Net-(R44-Pad2): R44.2 U15.6 U15.7
Net-(R45-Pad2): R45.2 U15.8 U15.9
Net-(R46-Pad2): R46.2 U15.13 U15.14
Net-(R55-Pad2): R55.2 U17.1 U17.2
Net-(R56-Pad2): R56.2 U17.6 U17.7
Net-(R57-Pad2): R57.2 U17.8 U17.9
Net-(R58-Pad2): R58.2 U17.13 U17.14
Net-(R67-Pad2): R67.2 U19.1 U19.2
Net-(R68-Pad2): R68.2 U19.6 U19.7
Net-(R69-Pad2): R69.2 U19.8 U19.9
Net-(R70-Pad2): R70.2 U19.13 U19.14
Net-(R79-Pad2): R79.2 U21.1 U21.2
Net-(R80-Pad2): R80.2 U21.6 U21.7
Net-(R81-Pad2): R81.2 U21.8 U21.9
Net-(R82-Pad2): R82.2 U21.13 U21.14
Net-(R99-Pad1): R99.1 U40.4
Net-(R100-Pad1): R100.1 U40.8
Net-(R101-Pad1): R101.1 U40.2
Net-(R102-Pad1): R102.1 U40.6
Net-(R108-Pad2): R108.2 U42.7
Net-(R109-Pad2): R109.2 U42.5
Net-(R110-Pad2): R110.2 U43.7
Net-(R111-Pad2): R111.2 U43.5
Net-(R112-Pad2): R112.2 U44.7
Net-(R113-Pad2): R113.2 U44.5
Net-(R114-Pad2): R114.2 U45.7
Net-(R115-Pad2): R115.2 U45.5
Net-(RN6-Pad5): RN6.5 U28.1
Net-(RN6-Pad6): RN6.6 U29.1
Net-(RN6-Pad7): RN6.7 U30.1
Net-(RN6-Pad8): RN6.8 U31.1
Net-(RN8-Pad5): RN8.5 U32.1
Net-(RN8-Pad6): RN8.6 U33.1
Net-(RN8-Pad7): RN8.7 U34.1
Net-(RN8-Pad8): RN8.8 U35.1
Net-(RN10-Pad5): RN10.5 U36.1
Net-(RN10-Pad6): RN10.6 U37.1
Net-(RN10-Pad7): RN10.7 U38.1
Net-(RN10-Pad8): RN10.8 U39.1
Net-(RN11-Pad5): RN11.5 U40.3
Net-(RN11-Pad6): RN11.6 U40.5
Net-(RN11-Pad7): RN11.7 U40.7
Net-(RN11-Pad8): RN11.8 U40.9

Pads without a net: D15 3 4 6; IC1 2; J5 6 7; J8 6 7 8; J9 6; J10 1 8; U1 2 6; U2 2 6; U24 7; U25 1 2 3 4 5 6 7 8; U26 7 12 13 22 49 50 53 54 55 56 57 60 63 75 76 102 110 132 133; U41 4; U42 1 8; U43 1 8; U44 1 8; U45 1 8

## Via types
v1: diameter 0.599, hole 0.3, Top to Bottom, 759 vias
v2: diameter 0.8, hole 0.4, Top to Bottom, 8 vias
v3: diameter 0.6, hole 0.3, Top to Bottom, 20 vias
v4: diameter 2, hole 1.4, Top to Bottom, 1 via

## Routing (per net, layer and track width the routed paths; a pad name or vN(x,y) marks a point on that pad's centre or on a via; arc(x,y) is an arc through that point)
+3V3: length 171.7
  Top w0.254: 55.81,39.02 57.14,39.02 v3(57.65,39.53) 57.78,39.4 57.78,38.24 ; U26.17 59.66,11.51 60.5,11.51 60.5,11.41 v3(61.21,10.7) 59.01,8.5 59.01,8.07 ; v3(70.35,9.94) 68.81,9.94 ; U26.143 48.51,6.49 v1(48.51,6.13) 48.48,6.1 48.48,5.11 49.35,5.98 49.35,6.62 U26.144 ; 68.57,47.95 68.57,47.53 67.83,46.79 67.83,46.79 66.8,45.75 66.29,46.26 ; U24.6 64.34,35.26 v1(64.51,35.08) 64.38,34.96 63.6,34.96 ; 65.37,39.66 64.38,39.66 v1(64.13,39.4) ; 65.37,39.66 65.56,39.47 U24.10 ; 65.37,39.66 64.94,39.22 U24.1 ; v1(50.92,37.5) 51.58,36.84 51.58,35.73 U26.72 ; v1(28.06,20.23) 27.11,21.18 SW2.2 27.04,21.48 20.39,21.48 SW2.2 ; v3(61.97,30) 61.41,29.45 61.41,29.29 61.41,29.29 U26.52 ; J10.4 30.12,7.55 v1(30.22,7.65) ; v1(33.4,16.54) 33.4,17.94 J9.1 ; U26.62 57.39,32.34 58.11,32.34 58.11,32.6 v3(58.67,33.15) ; U26.131 43.73,10.19 43.73,9.99 44.75,9.99 v1(44.95,10.19) ; v3(91.94,8.84) 91.59,9.18 90.9,9.18 ; U26.30 64.28,16.08 64.46,16.08 v3(64.64,15.91) 65.22,15.32 65.48,15.32 ; J3.1 68.32,24.67 v3(67.3,24.67) 66.85,24.21 65.53,24.21 U26.39 ; v1(74.42,14) 74.06,14.36 74.06,15.37 ; 40.18,29.04 40.58,29.04 v1(41.04,28.58) 41.04,28.01 U26.95 43.36,25.69 44.54,25.69 v1(45.28,24.96) ; v2(44.44,31.27) 43.99,31.73 43.99,32.24 44.59,32.24 U26.84 ; D8.2 57.8,4.83 v1(58.41,4.22) 58.95,4.76 59.15,4.76 ; U26.121 39.93,13.47 38.37,13.47 v1(38.09,13.75) ; v1(44.44,37.12) 44.44,37.25 42.68,39.02 41.97,39.02 ; U26.108 37.05,21.77 35.94,21.77 v1(35.94,22.77) ; D9.2 v1(38.6,1.81)
  Top w0.305: 86.38,10.6 86.38,8.78 v3(86.37,8.76)
  Top w0.762: v1(62.02,59.53) 60.73,60.82 48.24,60.82 46.1,62.96 46.1,65.11 J6.2 44.39,67.9 R100.2 44.2,68.92 R99.2
  Top w1.27: 67.3,44.25 67.3,45.24 66.29,46.26 U6.2 U6.2 58.16,46.26 v1(57.14,47.28) v1(57.14,46.26) v1(57.14,45.5)
  Bottom w0.254: J8.1 47.68,22.56 v1(45.28,24.96)
  Bottom w0.61: v3(91.94,8.84) 91.9,8.79 86.4,8.79 v3(86.37,8.76) 86.35,8.78 77.48,8.78 75.95,10.31 75.31,10.31 v3(74.83,10.8)
  Bottom w0.762: v1(62.02,59.53) 62.02,50.91 60.19,49.09 v1(60.19,46.26) v1(61.72,46.26)
  vias: v1(60.95,46.26)
+5V: length 188.6
  Top w0.254: v1(87.28,54.32) 87.28,55.62 U1.5 ; v1(86.85,67.19) 86.85,67.07 J2.1 ; v1(77.57,54.32) 77.57,54.33 U2.5 ; U8.5 78.49,42.16 78.49,43.04 77.88,43.66 v1(77.08,43.66) ; 48.23,40.42 48.64,40.82 48.64,41.08 49.27,41.71 49.27,42.96 50.54,44.23 50.54,45.12 51.17,45.75 51.17,46.01 ; U9.5 69.01,37.77 v1(69.01,38.35) ; 71.71,15 72.02,15 73.65,13.37 v1(73.65,12.1) ; 50.86,40.29 v1(49.4,40.29) ; U14.5 79.26,68.75 v1(79.75,69.24) ; U11.5 75.43,46.31 v1(74.34,46.31) ; 46.92,37.75 45.79,37.75 45.21,38.34 v1(45.21,38.89) ; 82.97,18.07 v1(84.07,18.07) ; v1(86.71,24.29) 85.8,24.29 85.79,24.29 ; U13.5 79.24,73.04 v1(79.66,73.46) ; v1(84.07,36.35) 83.04,36.35 83.02,36.34 ; v1(89.67,45.24) 89.21,44.78 U12.5 ; 73.09,40.67 73.85,41.44 v1(74.31,41.44) ; 82.97,40.67 v1(84.07,40.67)
  Top w0.405: C91.2 13.9,28.38 v1(14.07,28.22) ; v1(14.07,28.22) 12.41,29.87 12.41,30.92 12.03,31.31 U43.6 ; v1(14.07,28.22) 14.07,27.78 C92.2 12.25,24.1 11.88,23.72 U42.6 ; U44.6 11.75,40.01 12.12,39.65 12.12,38.42 11.25,37.56 v1(10.66,37.56) C97.2
  Top w0.406: v1(78.48,11.21) 79.22,11.21 79.24,11.23 79.24,13.08 ; 81.78,21.21 v1(81.78,22.38) ; 87.78,31.27 88.89,31.27 v1(89.15,31.53) 89.15,30.6 89.47,30.27 ; C98.2 9.38,50.95 10.13,50.2 10.13,45.85 v1(10.49,45.5) 11.16,44.82 11.77,44.82 12.03,44.55 12.03,43.89 11.76,43.62 U45.6 ; v1(78.99,24.42) 78.96,24.39 77.97,24.39 ; 73.96,31.48 74.51,31.48 v1(74.92,31.06) ; 78.03,32.74 v1(77.21,33.56)
  Top w0.762: v1(49.83,59.43) 47.54,59.43 44.1,62.88 J6.1
  Top w0.914: D14.1 34.79,37.38 v2(34.79,38.64)
  Top w1.016: L2.2 52.97,51.47 54.86,51.47
  Top w1.27: 54.86,51.47 56.33,50 59.73,50 61.19,48.55 v1(62.48,48.55) v1(63.24,48.55) 63.25,48.56 U6.3
  Bottom w0.254: v1(78.48,11.21) 77.59,12.1 v1(73.65,12.1) ; 84.78,66.63 85.34,67.19 v1(86.85,67.19) ; 84.78,66.63 82.17,69.24 v1(79.75,69.24) 79.75,73.36 v1(79.66,73.46) ; 84.78,66.63 79.15,61 77.18,61 75.9,59.72 75.9,54.32 ; 75.9,54.32 v1(77.57,54.32) v1(87.28,54.32) ; 75.9,54.32 74.57,52.99 74.57,46.54 v1(74.34,46.31) 76.99,43.66 v1(77.08,43.66) ; v1(77.08,43.66) 76.53,43.66 v1(74.31,41.44) ; v1(77.08,43.66) 78.5,42.24 79.34,42.24 79.62,42.51 79.98,42.51 82.64,45.17 89.6,45.17 v1(89.67,45.24)
  Bottom w0.762: v2(50.8,48.8) 50.8,53.42 49.83,54.38 v1(49.83,59.43)
  vias: v2(50.79,51.85) v2(50.79,50.83) v2(50.79,49.82) v2(51.81,49.05)
/5V_SENSOR_1: length 105.7
  Top w0.254: 95.46,37.49 95.43,37.51 95.43,39.06 95.43,39.07 95.43,40.72 95.46,40.75 95.46,42.8 94.62,43.64 92.14,43.64 91.84,43.34
  Top w0.406: v1(87.42,68.08) 89.76,68.08 91.17,66.68 91.17,64.63 94.42,61.38 ; R36.1 83.5,68.08 v1(84.51,68.08) ; 82.99,52.2 82.99,53.19 ; 82.99,53.19 86.34,53.19 86.39,53.14 ; 82.99,53.19 82.94,53.14 79.17,53.14 ; 94.89,43.36 94.42,43.83 94.42,51.16 93.39,52.19 93.37,52.19 93.37,53.18 ; 74.61,54.16 74.89,54.16 75.93,53.12 75.95,53.14 79.17,53.14 ; 79.17,53.14 79.17,52.15 ; 89.9,52.18 89.9,53.17 ; 89.9,53.17 89.88,53.14 86.39,53.14 ; 89.9,53.17 93.36,53.17 93.37,53.18 ; 86.39,53.14 86.39,52.15 ; 93.37,53.18 95.14,54.94 95.14,57.26 93.58,58.82 91.4,58.82 91.4,61.03 U1.1 91.13,61.35 92.8,61.35 92.83,61.38 ; R35.1 75.09,67.93 v1(73.94,67.93) ; 92.83,61.38 94.41,61.38 95.78,62.75 J5.8 ; 92.83,61.38 94.39,61.38 ; 92.83,61.38 94.42,61.38 ; 94.42,61.38 95.77,62.73 J5.9
  Bottom w0.406: v1(87.42,68.08) v1(84.51,68.08) 81.11,71.49 81.11,73.51 80.45,74.17 77.95,74.17 73.94,70.15 v1(73.94,67.93)
/5V_SENSOR_2: length 28.6
  Top w0.254: 83.16,61.37 83.19,61.4
  Top w0.406: 83.19,61.4 v1(84.5,61.4) ; U2.1 83.16,61.37
  Bottom w0.406: J5.4 96.06,72.91 93.52,70.37 ; 93.52,70.37 J5.5 ; 93.52,70.37 91.13,67.98 91.13,64.28 89.79,62.94 86.04,62.94 v1(84.5,61.4)
/12V_MR: length 152.1
  Top w0.762: v1(33.58,67.04) 31.45,67.04 30.21,65.8 U40.1 30.21,65.96 29.07,67.1 29.07,72.89 30.06,73.88 30.96,73.88 ; U40.10 v1(41.64,66.47) v1(41.17,66.94)
  Top w2.032: 35.93,74.17 35.95,74.19 35.95,76.44 35.84,76.56 ; 30.29,76.56 18.2,76.56 17.07,75.43 C1.1 11.92,75.42 v4(7.9,75.42) ; 30.29,76.56 35.84,76.56 ; 30.29,76.56 30.96,75.89 30.96,73.88 ; 35.84,76.56 40.45,76.56 41.05,75.95 41.05,74.21 41.07,74.19 41.07,74.07
  Bottom w0.762: v1(32.78,67.04) v1(33.58,67.04) 41.06,67.04 v1(41.17,66.94) 41.64,66.46
  Bottom w2.023: 1.62,49.35 1.62,2.92 2.77,1.78 J4.32
  Bottom w2.032: 1.62,47.25 1.62,73.39 3.67,75.44 7.89,75.44 v4(7.9,75.42)
/12V_PROT: length 98.8
  Top w0.406: 47.87,56.82 47.87,55.66 47.75,55.53
  Top w1.016: 92.05,77.97 85.63,71.55 85.63,68.89 ; U2.7 80.13,55.7 v1(84.67,55.7) ; 49.91,56.67 49.91,57.06 v2(51.3,58.45) ; v1(94.19,55.71) 94.18,55.7 89.9,55.7 U1.7 ; 85.63,68.89 85.63,55.71 v1(85.64,55.71) ; 85.63,68.89 92.03,75.29
  Top w1.27: L1.1 44.83,56.93 44.83,56.04 45.33,55.53 48.92,55.53 D2.1
  In2.Cu w1.016: v2(51.3,58.45) 72.64,58.45 75.43,55.66 75.48,55.71 84.67,55.71 v1(84.67,55.7) 84.68,55.71 v1(85.64,55.71) 94.18,55.71 v1(94.19,55.71) 94.18,55.7 ; 81.34,55.68 81.31,55.71 80.1,55.71 80.11,55.7 80.12,55.7
/12V_RAW: length 37.5
  Top w0.254: D1.1 60.05,53.37 61.98,55.3 66.06,55.3 67.04,54.32 69.72,54.32 R96.1
  Top w2.032: D2.2 57.35,56.67 57.68,57.01 57.68,57.08 ; J6.10 66.96,60.15 63.9,57.08 57.68,57.08 ; 57.68,57.08 D1.1
/AV1: length 10.7
  Top w0.254: J5.30 96.56,8.6 96.56,9.55 93.17,12.94 92.25,12.94 92.27,12.96 92.27,14.33 RN2.1
/AV2: length 8.9
  Top w0.254: J5.29 97.11,10.58 97.11,11.3 93.73,14.69 93.73,14.69 93.19,15.23 RN2.2
/AV3: length 7.9
  Top w0.254: RN2.3 92.2,16.01 93.64,16.01 93.74,16.11 93.74,16.09 97.89,11.95 J5.28
/AV4: length 9
  Top w0.254: RN2.4 92.37,17.02 92.37,18.29 94.12,18.29 97.92,14.49 J5.27
/AV5: length 6.9
  Top w0.254: J5.26 94.43,20.89 94.43,22.09 RN3.1
/AV6: length 8.1
  Top w0.254: 93.35,20.92 93.35,21.72 93.92,22.29 93.92,22.78 94.19,23.05 RN3.2 95,23.05 98.29,19.76 J5.25
/AV7: length 7.1
  Top w0.254: 93.64,25.89 93.64,24.4 94.19,23.85 RN3.3 96.55,23.85 J5.24
/AV8: length 5.1
  Top w0.254: J5.23 98.29,24.65 RN3.4 94.59,25.79 94.7,25.89 94.59,25.79
/AV9: length 15.2
  Top w0.254: J5.22 96.99,28.49 93.97,28.49 92.49,29.96 ; 92.49,29.96 92.49,34.49 ; 92.49,29.96 90.51,27.98 ; RN4.1 92.49,34.49
/AV10: length 10.4
  Top w0.254: RN4.2 92.11,35.95 93.17,34.89 93.17,32.52 95.97,29.73 J5.21
/AV11: length 10
  Top w0.254: RN4.3 92.06,36.75 93.67,35.15 93.67,33.23 94.46,32.43 95.1,33.08 97.48,33.08 J5.20
/mcu/5V_SENSOR_1_PG: length 119
  Top w0.254: U1.4 87.06,61.1 v1(87.06,59.47) ; 57.5,8.01 61.67,3.85 66.79,3.85 67.69,2.95 69.46,2.95 v1(69.97,2.45) ; 57.5,8.01 U26.9 ; 57.5,8.01 57.58,8.01 58.33,8.76
  Bottom w0.254: v1(87.06,59.47) 88.34,58.2 96.22,58.2 96.82,58.79 98.76,58.79 99.55,58 99.55,3.61 98.81,2.87 98.76,2.91 97.83,2.91 97.5,2.59 82.29,2.59 82.11,2.77 70.3,2.77 v1(69.97,2.45)
/mcu/5V_SENSOR_2_PG: length 134.2
  Top w0.254: 60.26,4.54 55.12,9.68 U26.8 ; 60.26,4.54 61.37,3.43 65.82,3.43 66.8,2.45 68.96,2.45 v1(69.08,2.32) ; 60.26,4.54 60.26,4.49 59.84,4.07 ; v1(77.21,59.71) 77.21,61.01 U2.4
  Bottom w0.254: v1(77.21,59.71) 77.74,60.24 92.2,60.24 93.57,61.62 98.48,61.62 99.96,60.14 99.96,4.25 99.96,1.76 98.67,0.47 70.93,0.47 v1(69.08,2.32)
/mcu/12V_DIVIDED: length 39.2
  Top w0.254: R96.2 70.08,53.03 70.08,51.85 69.52,51.3 69.52,50.15 70.1,50.15 70.35,49.91 70.35,47.38 v1(69.3,46.32) 69.15,46.17 69.15,44.28 ; U26.43 68.14,29.65 69.49,29.65 v1(69.84,30)
  Bottom w0.254: v1(69.84,30) 67.81,30 67.05,30.77 67.05,35.32 68.14,36.41 68.14,45.16 v1(69.3,46.32)
/mcu/AV1: length 18.9
  Top w0.254: 76.73,11.46 76.73,11.95 R59.2 ; 75.94,12.73 74.16,10.95 66.58,10.95 U26.26
/mcu/AV2: length 29.8
  Top w0.254: 82.8,13.73 v1(82.8,14.51) 82.82,14.53 82.82,15.53 ; v1(60.7,17.56) 60.7,17.54 U26.27
  Bottom w0.254: v1(82.8,14.51) 80.79,12.5 74.14,12.5 73.91,12.73 73.43,12.73 73.09,13.07 69.75,13.07 69.08,12.41 67.82,12.41 65.27,14.96 65.27,16.29 65.02,16.54 61.72,16.54 v1(60.7,17.56)
/mcu/AV3: length 23.5
  Top w0.254: U26.28 67.59,11.36 73.99,11.36 75.18,12.54 75.18,15.02 75.43,15.27 75.43,15.78 73.93,17.28 73.93,19.59
/mcu/AV4: length 19.5
  Top w0.254: U26.29 66.67,12.99 v1(68.57,12.99) ; v1(76.7,17.3) 76.6,17.41 75.94,17.41 75.94,18.47
  Bottom w0.254: v1(76.7,17.3) 75.43,16.03 75.18,16.03 72.66,13.51 69.61,13.51 69.08,12.99 v1(68.57,12.99)
